# Altium PCB Cueing-PCB.PcbDoc (part 1 of 2)
Units mm, origin at the board's own origin, x right, y up, seen from the top; angles counter-clockwise.
Board outline 73.91 x 83.82 mm, 4 copper layers (Top Layer, Int1 (GND), Int2 (PWR), Bottom Layer), stack 1.556 mm thick; 114 components, 86 nets, 413 pads, 131 vias.
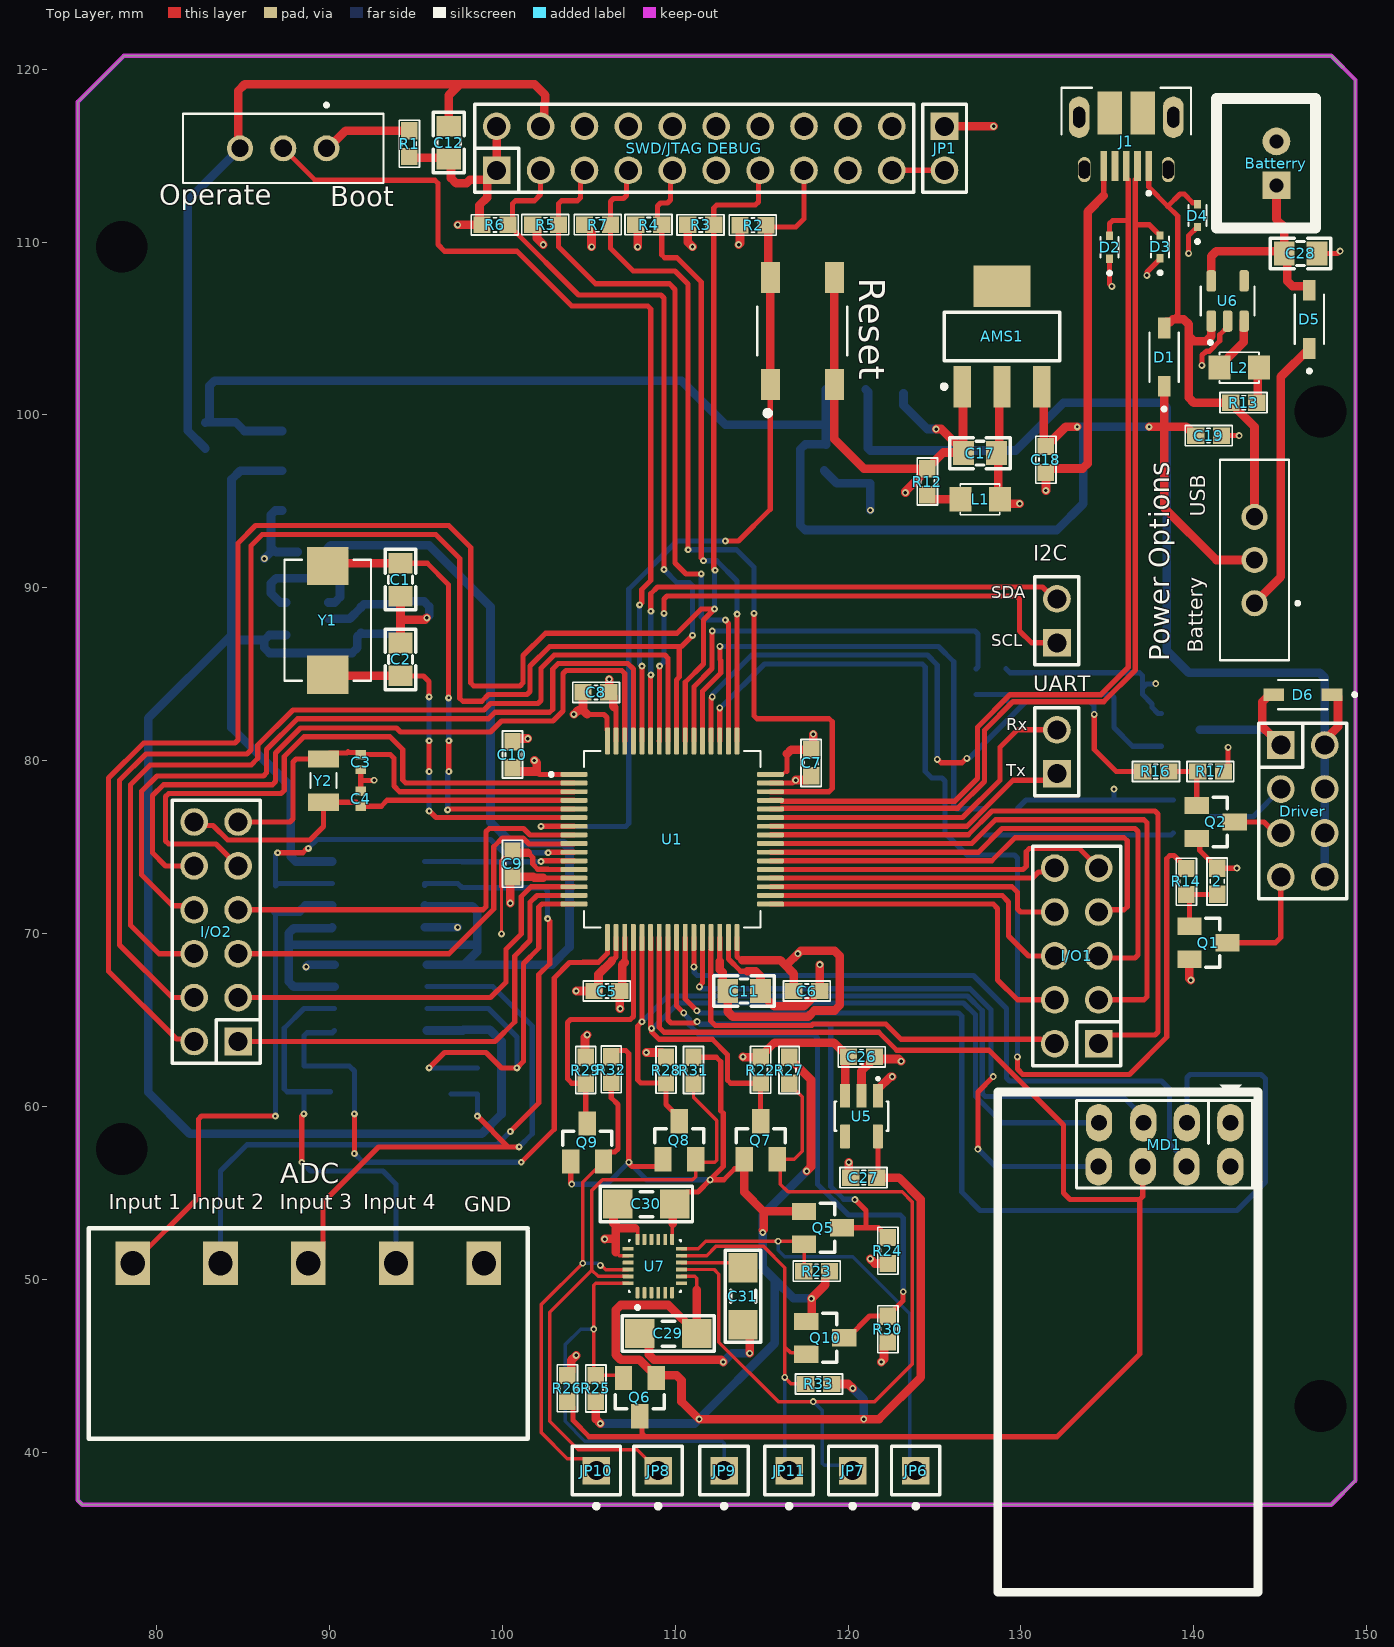
[diagram p0: Top Layer view]
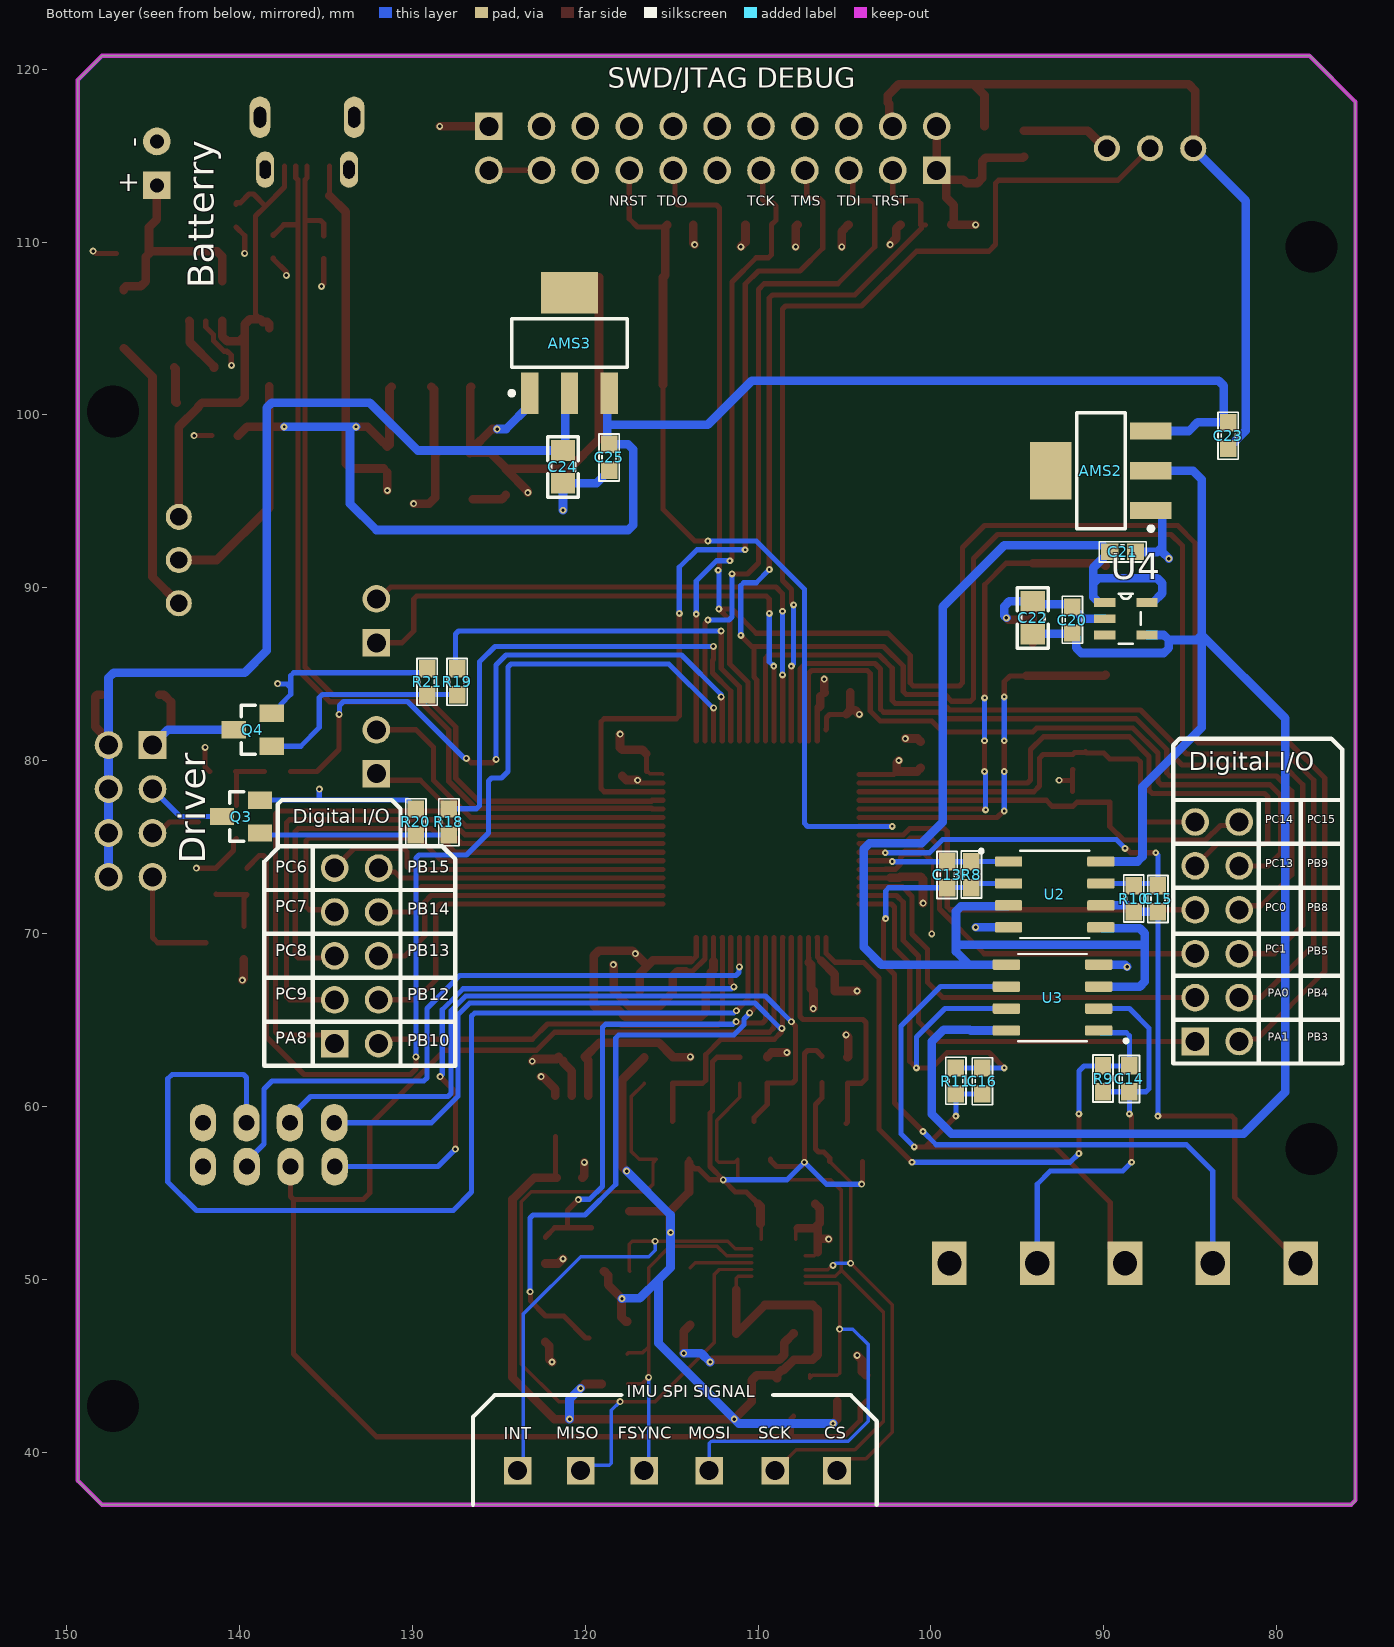
[diagram p1: Bottom Layer view, seen from below]
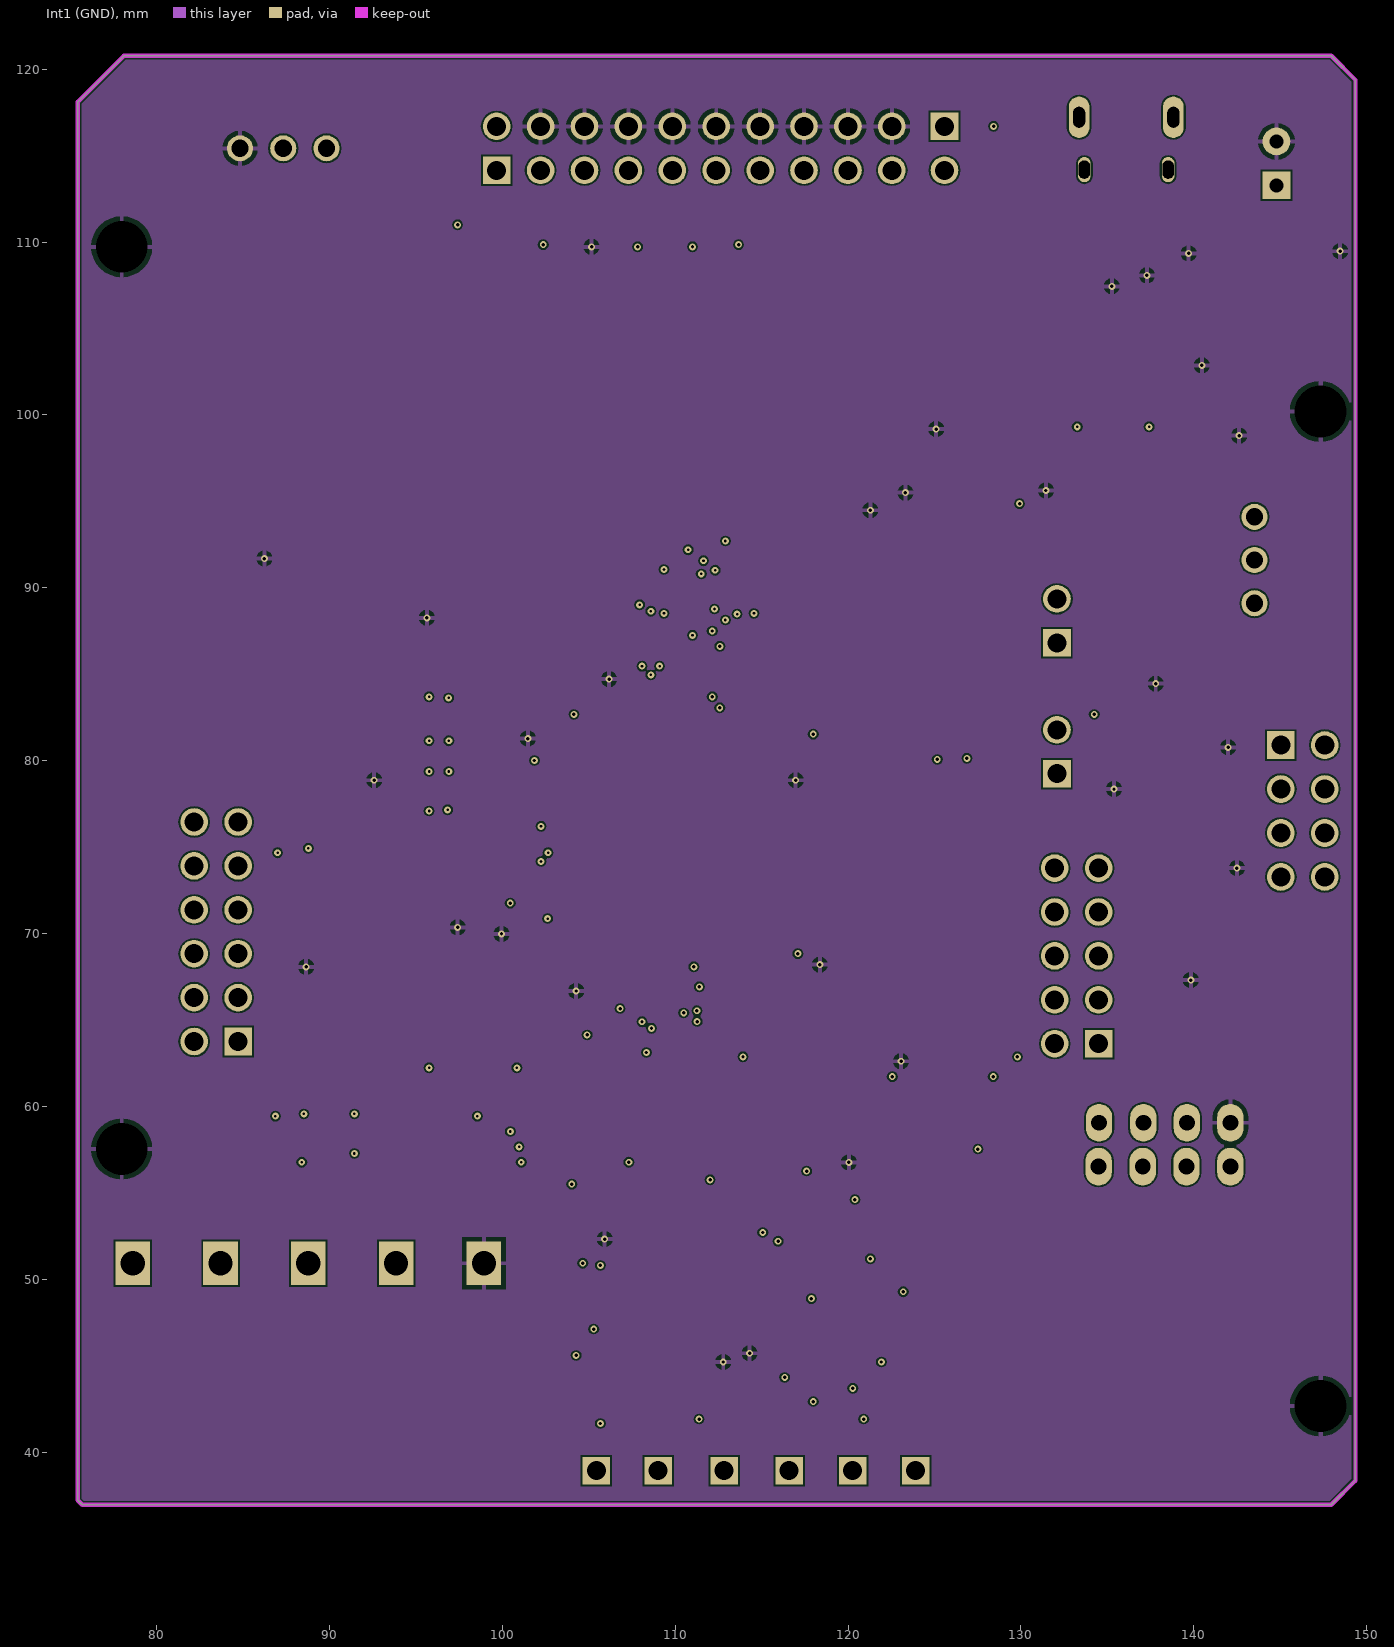
[diagram p2: Int1 (GND)]
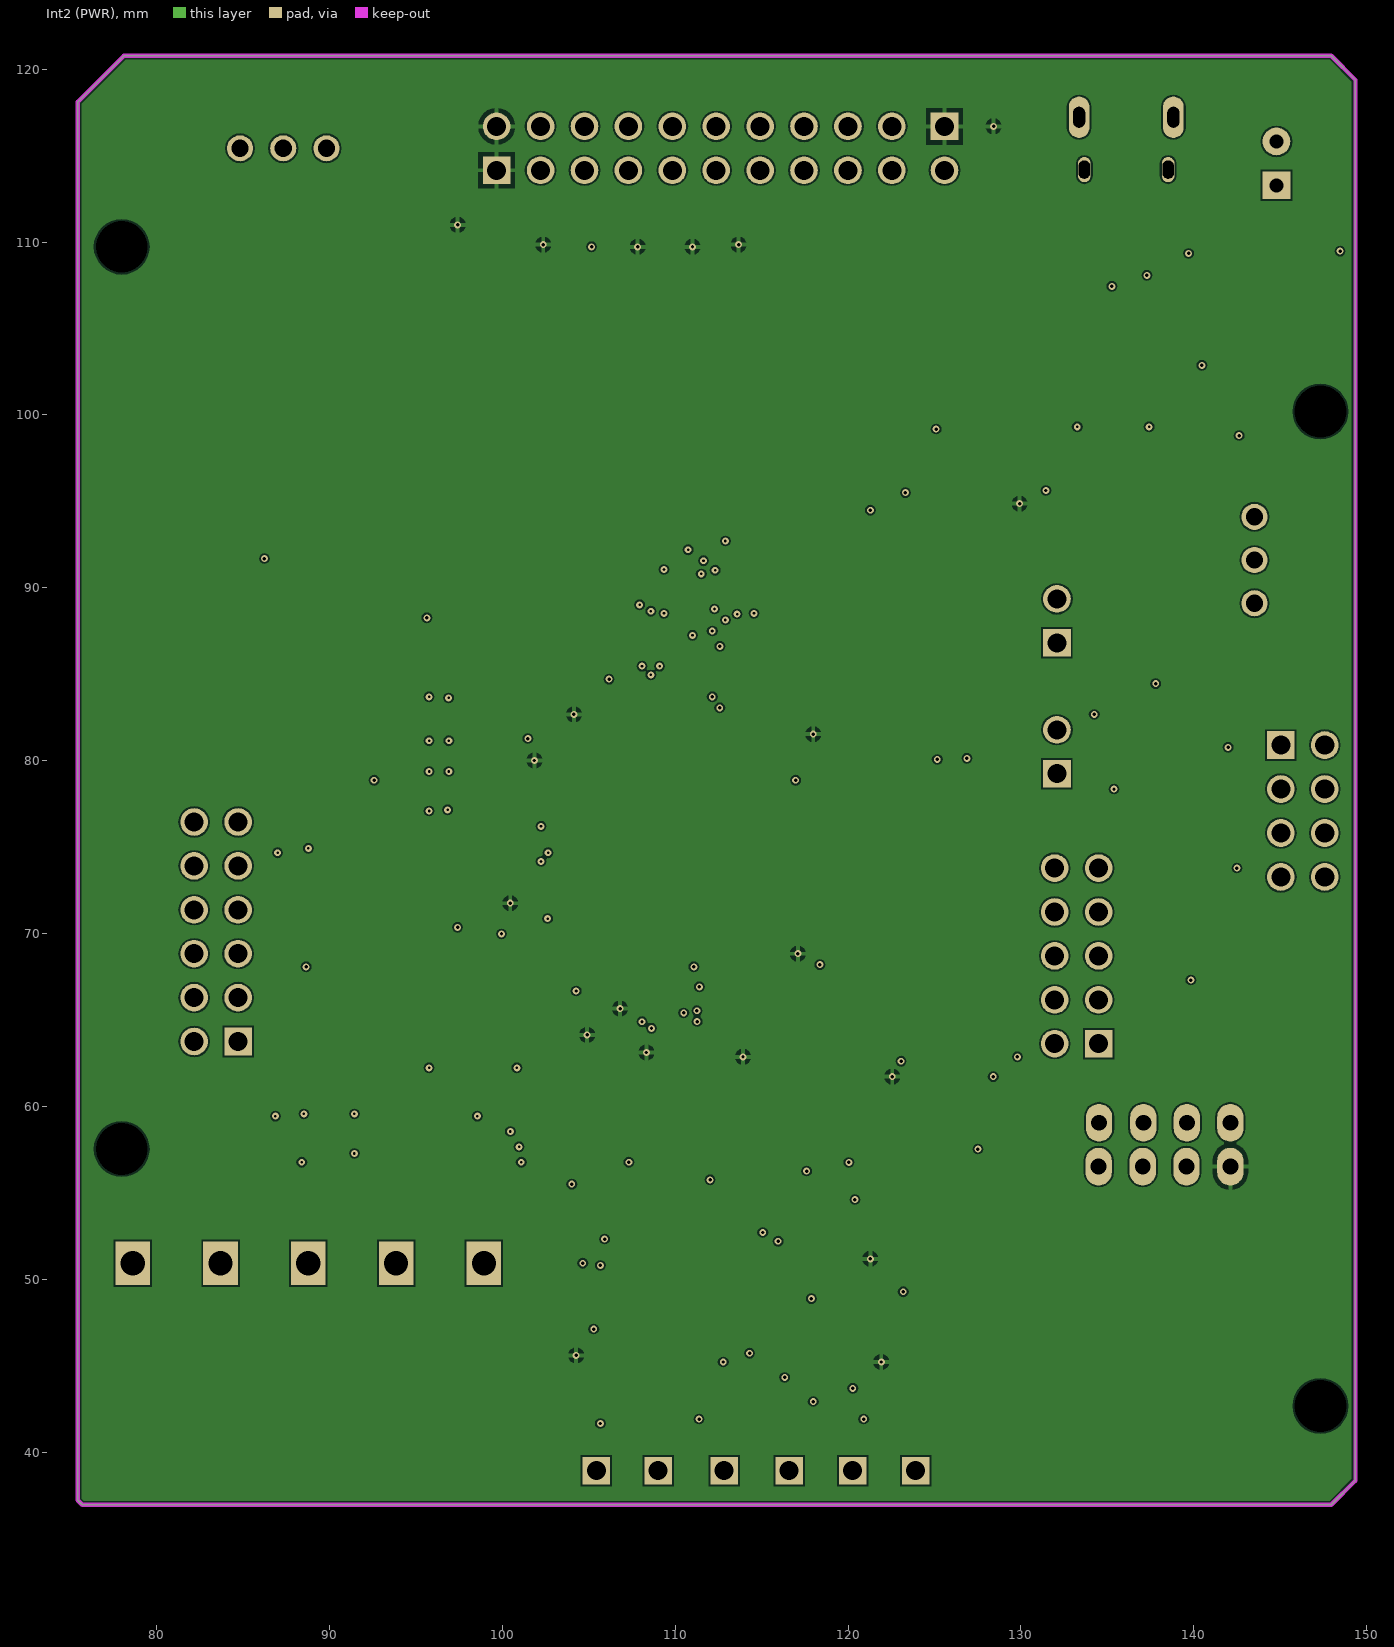
[diagram p3: Int2 (PWR)]

## Layer stack, top to bottom
Top Solder: solder mask 0.035, SM-001, Dk 4
Top Layer: signal copper 0.0175
Dielectric 1: prepreg 0.2104, PP-017, Dk 3.8
Int1 (GND): signal copper 0.0175
Dielectric 3: core 1.065, Core-039, Dk 4.6
Int2 (PWR): signal copper 0.0175
Dielectric 5: prepreg 0.2104, PP-017, Dk 3.8
Bottom Layer: signal copper 0.0175
Bottom Solder: solder mask 0.035, SM-001, Dk 4

## Board outline
75.692,36.957 147.955,36.957 149.352,38.354 149.352,119.38 147.955,120.777 78.105,120.777 75.438,118.11 75.438,37.211

## Design rules (kind name [scope] priority, off if disabled: settings)
Clearance [All] p1: gap=0.1 ignorepadtopadclearanceinfootprint=FALSE
DiffPairsRouting [All] p1: maxlimit=0.254 minlimit=0.102 mostfreqgap=0.254 toplayer_maxgap=0.102 toplayer_prefgap=0.102 toplayer_minwidth=0.305 toplayer_maxwidth=0.305 toplayer_prefwidth=0.305 bottomlayer_maxgap=0.102 bottomlayer_prefgap=0.102 bottomlayer_minwidth=0.305 bottomlayer_maxwidth=0.305 bottomlayer_prefwidth=0.305 impedanceprofiledriven=TRUE impedanceprofileid={AE3B06EE-D058-4DDF-8829-B85612DFF81B} impedanceprofilevalue=90.000000 maxuncoupledlength=12.7
PlaneConnect [All] p1: planeconnectstyle=Direct reliefexpansion=0.508 reliefentries=4 reliefconductorwidth=0.254 reliefairgap=0.254
PolygonConnect [All] p1: connectstyle=Relief reliefconductorwidth=0.254 reliefentries=4 polygonreliefangle="90 Angle" airgapwidth=0.254
RoomDefinition Peripherial [InComponentClass('Peripherial')] p1: confinementstyle=ConfineIn formatcopy=TRUE lockcomponents=FALSE outline 178.943,71.247 352.044,71.247 352.044,103.759 178.943,103.759
RoomDefinition STM32_MCU [InComponentClass('STM32_MCU')] p2: confinementstyle=ConfineIn formatcopy=TRUE lockcomponents=FALSE outline 189.713,118.728 371.704,118.728 371.704,147.176 189.713,147.176
RoomDefinition PWR_SRC [InComponentClass('PWR_SRC')] p3: confinementstyle=ConfineIn formatcopy=TRUE lockcomponents=FALSE outline 178.943,105.156 369.189,105.156 369.189,123.571 178.943,123.571
RoomDefinition Driver [InComponentClass('Driver')] p4: confinementstyle=ConfineIn formatcopy=TRUE lockcomponents=FALSE outline 178.943,56.769 279.273,56.769 279.273,69.977 178.943,69.977
RoomDefinition ADC [InComponentClass('ADC')] p5: confinementstyle=ConfineIn formatcopy=TRUE lockcomponents=FALSE outline 178.943,27.051 247.015,27.051 247.015,55.499 178.943,55.499
RoutingVias [All] p1: holewidth=0.15 width=0.4 viastyle="Through Hole" minholewidth=0.1 minwidth=0.4 maxholewidth=0.2 maxwidth=0.4
SilkToSolderMaskClearance [IsText] p1: minsilkscreentomaskgap=0.254 clearancetoexposedcopper=TRUE
SolderMaskExpansion [All] p1: expansion=0.102 istentingtop=FALSE
Width [All] p1: maxlimit=0.5 minlimit=0.2 preferedwidth=0.3 midlayer1_minwidth=0.254 midlayer1_maxwidth=0.254 midlayer1_prefwidth=0.254 midlayer2_minwidth=0.254 midlayer2_maxwidth=0.254 midlayer2_prefwidth=0.254 minimp=50.000000 maximp=50.000000 favimp=50.000000
27 further rules are at their usual default settings.

## Classes and differential pairs
differential pair class diff90: USB
component class STM32_MCU: Boot C1 C2 C3 C4 C5 C6 C7 C8 C9 C10 C11 C12 I2C I/O1 I/O2 JP1 R1 R2 R3 R4 R5 R6 R7 Reset "SWD/JTAG DEBUG" U1 UART Y1 Y2
component class PWR_SRC: AMS1 AMS2 AMS3 Batterry C17 C18 C19 C20 C21 C22 C23 C24 C25 C26 C27 C28 D1 D2 D3 D4 D5 J1 L1 L2 "Power Options" R12 R13 U4 U5 U6
component class Peripherial: C29 C30 C31 JP6 JP7 JP8 JP9 JP10 JP11 MD1 Q5 Q6 Q7 Q8 Q9 Q10 R22 R23 R24 R25 R26 R27 R28 R29 R30 R31 R32 R33 U7
component class Driver: 2 D6 Driver Q1 Q2 Q3 Q4 R14 R16 R17 R18 R19 R20 R21
component class ADC: ADC C13 C14 C15 C16 R8 R9 R10 R11 U2 U3
differential pair USB: +USB_P -USB_N

## Components (designator, comment, footprint, x,y, rotation, side; value= is the part's Value field where it differs from the comment)
2 "10k" "tro smd 0603" 141.351,73.025 r270 top (schematic designator R15)
ADC "CON 5 EDG5.08" "CON 5 5EDG5.08" 98.933,50.927 r180 top (schematic designator ADC1)
AMS1 "AMS1117-3.3V" SOT223 128.905,104.542 r0 top value="AMS1117-3.3V SOT223"
AMS2 "AMS1117-3.3V" SOT223 90.17,96.774 r90 bottom value="AMS1117-3.3V SOT223"
AMS3 "AMS1117-3.3V" SOT223 120.904,104.161 r180 bottom value="AMS1117-3.3V SOT223"
Batterry "Batterry" XH2.54M-2 144.78,113.284 r90 top (schematic designator Batterry1)
Boot "EG1218" SW_EG1218 87.323,115.426 r180 top (schematic designator Boot1)
C1 "20pF" "tu 0805" 94.107,90.472 r270 top
C2 "20pF" "tu 0805" 94.107,85.852 r90 top
C3 "GRM1555C1H120JA01D" CAPC1005X55N 91.8,79.919 r90 top
C4 "GRM1555C1H120JA01D" CAPC1005X55N 91.814,77.8 r270 top
C5 "103" "tu 0603" 106.045,66.675 r180 top
C6 "103" "tu 0603" 117.602,66.675 r0 top
C7 "103" "tu 0603" 117.856,79.883 r270 top
C8 "103" "tu 0603" 105.41,83.947 r0 top
C9 "103" "tu 0603" 100.584,74.029 r90 top
C10 "103" "tu 0603" 100.584,80.341 r90 top
C11 "225" "tu 0805" 113.976,66.678 r0 top
C12 "225" "tu 0805" 96.898,115.754 r90 top
C13 "470pF" "tu 0603" 99.06,73.406 r270 bottom
C14 "470pF" "tu 0603" 88.519,61.595 r270 bottom
C15 "470pF" "tu 0603" 86.868,72.009 r270 bottom
C16 "470pF" "tu 0603" 97.028,61.468 r270 bottom
C17 "224" "tu 0805" 127.635,97.79 r180 top
C18 "106" "tu 0603" 131.445,97.421 r270 top
C19 "106" "tu 0603" 140.855,98.806 r0 top
C20 "105" "tu 0603" 91.821,88.138 r90 bottom
C21 "105" "tu 0603" 88.912,92.075 r180 bottom
C22 "224" "tu 0805" 94.107,88.265 r90 bottom
C23 "106" "tu 0603" 82.804,98.806 r270 bottom
C24 "224" "tu 0805" 121.281,96.997 r270 bottom
C25 "106" "tu 0603" 118.618,97.548 r270 bottom
C26 "105" "tu 0603" 120.777,62.865 r0 top
C27 "105" "tu 0603" 120.904,55.88 r180 top
C28 "10pF" "tu 0805" 146.177,109.347 r0 top
C29 "104" "tu 1206" 109.602,46.863 r180 top
C30 "104" "tu 1206" 108.331,54.356 r180 top
C31 "104" "tu 1206" 113.919,49.021 r270 top
D1 "1N5819HW-7-F" SOD3715X145N 138.281,103.342 r90 top
D2 "LESD5D5.0CT1G" TVS_LESD5D5.0CT1G 135.128,109.703 r90 top
D3 "LESD5D5.0CT1G" TVS_LESD5D5.0CT1G 138.049,109.728 r90 top
D4 "LESD5D5.0CT1G" TVS_LESD5D5.0CT1G 140.208,111.531 r90 top
D5 "1N5819HW-7-F" SOD3715X145N 146.685,105.537 r90 top
D6 "1N5819HW-7-F" SOD3715X145N 146.304,83.82 r180 top
Driver "JP 2x4 2.54" "JP 2x4 DT" 146.304,77.089 r270 top (schematic designator Driver1)
I2C "JP 1x2 2.54" "JP 1x2 DT" 132.08,86.821 r90 top (schematic designator I1)
I/O1 "JP 2x5 2.54" "JP 2x5 DT" 133.223,68.707 r90 top
I/O2 "JP 2x6 2.54" "JP 2x6 DT" 83.439,70.104 r90 top
J1 "10103594-0001LF" AMPHENOL_10103594-0001LF 136.09,117.225 r180 top
JP1 "JP 1x2 2.54" "JP 1x2 DT" 125.578,116.696 r270 top
JP6 "JP 1x1 2.54" "JP 1x1 DT" 123.911,38.926 r180 top
JP7 "JP 1x1 2.54" "JP 1x1 DT" 120.265,38.926 r180 top
JP8 "JP 1x1 2.54" "JP 1x1 DT" 109.009,38.926 r180 top
JP9 "JP 1x1 2.54" "JP 1x1 DT" 112.825,38.926 r180 top
JP10 "JP 1x1 2.54" "JP 1x1 DT" 105.431,38.926 r180 top
JP11 "JP 1x1 2.54" "JP 1x1 DT" 116.586,38.926 r180 top
L1 "LED 0805" LED-0805-Green 128.778,95.123 r180 top
L2 "LED 0805" LED-0805-Red 143.764,102.743 r180 top
MD1 "NRF24L01 Module" NRF24L01 142.113,59.055 r180 top
"Power Options" "EG1218" SW_EG1218 143.51,91.607 r90 top (schematic designator S1)
Q1 "SI2312" SOT23 140.843,69.469 r270 top
Q2 "SI2312" SOT23 141.267,76.454 r270 top
Q3 "SI2312" SOT23 139.911,76.769 r90 bottom
Q4 "SI2312" SOT23 139.235,81.788 r90 bottom
Q5 "SI2312" SOT23 118.554,52.975 r270 top
Q6 "SI2312" SOT23 107.95,43.18 r180 top
Q7 "SI2312" SOT23 114.945,58.039 r0 top
Q8 "SI2312" SOT23 110.236,58.039 r0 top
Q9 "SI2312" SOT23 104.902,57.912 r0 top
Q10 "SI2312" SOT23 118.681,46.609 r270 top
R1 "10k" "tro smd 0603" 94.615,115.697 r270 top
R2 "10k" "tro smd 0603" 114.498,110.987 r180 top
R3 "10k" "tro smd 0603" 111.475,110.993 r180 top
R4 "10k" "tro smd 0603" 108.467,111.013 r180 top
R5 "10k" "tro smd 0603" 102.498,111.007 r180 top